# Altium PCB Bidir_Active_Rectifier-Main_Board.PcbDoc (part 2 of 3) (continued)
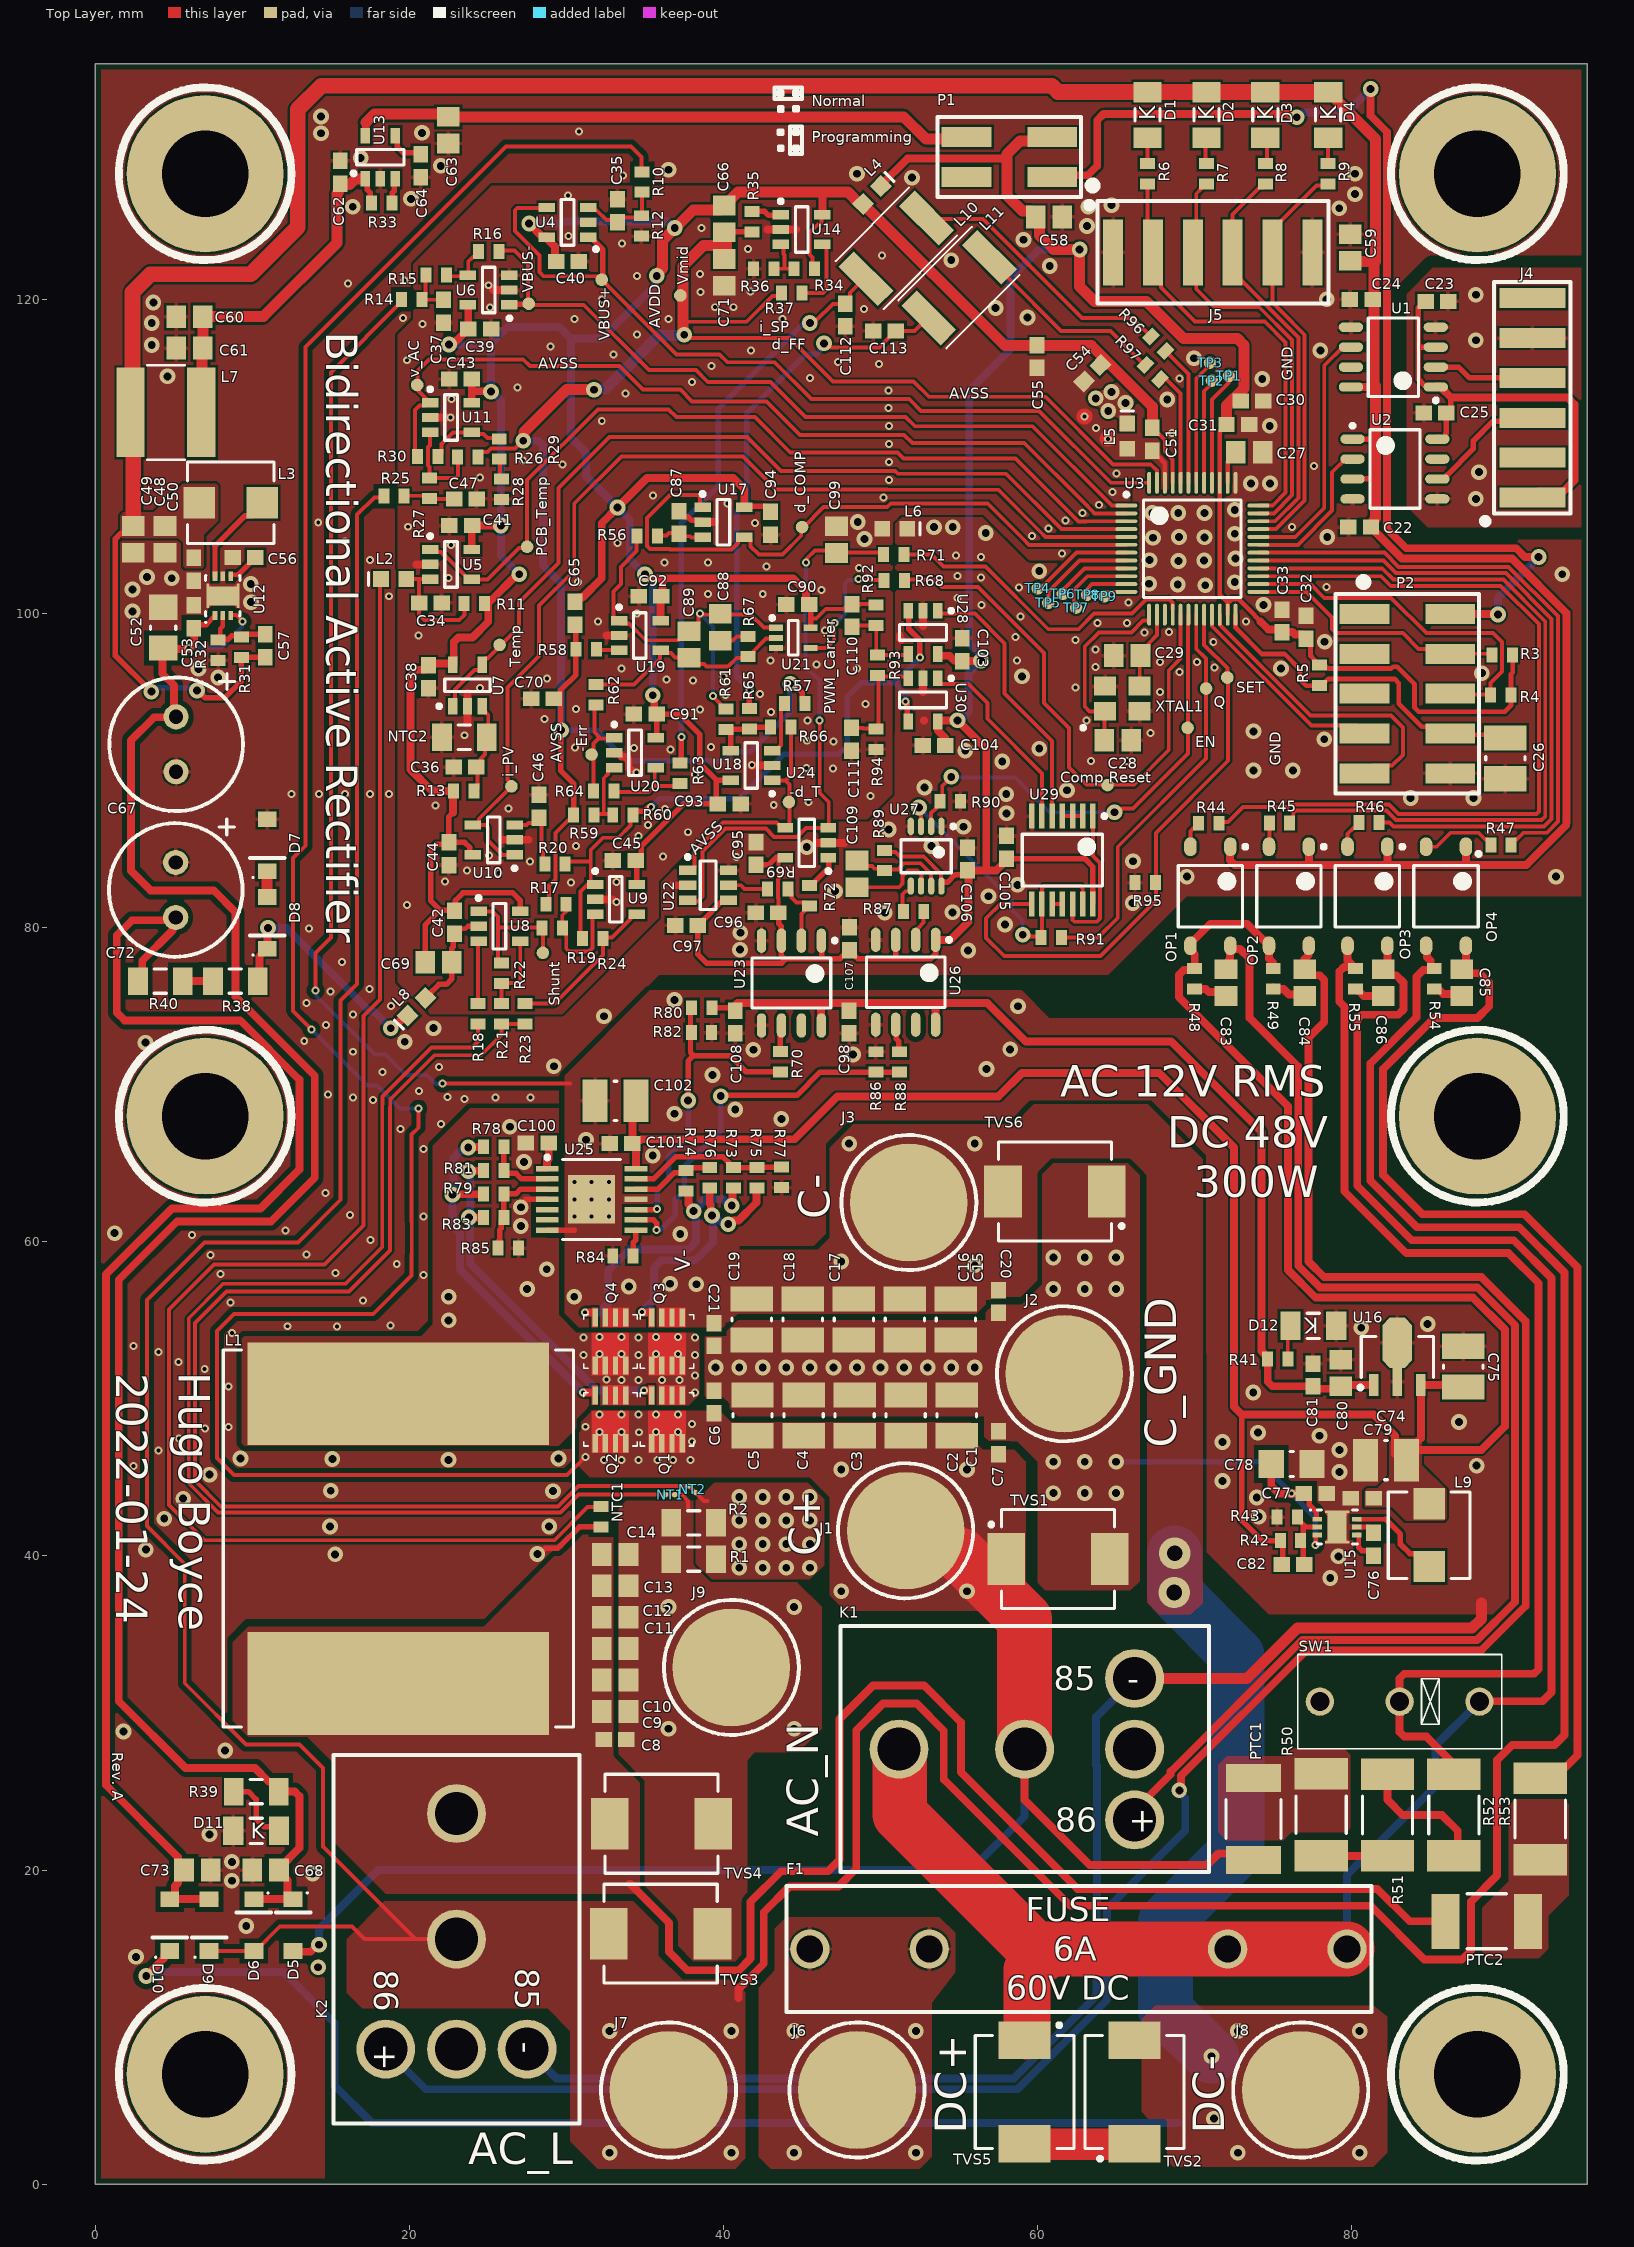
[diagram p0: Top Layer view]
## Nets (pads, with @x,y where several pads share a name; then routed paths per layer and width w, separated by ;. In a path a pad name is that pad's centre, name@x,y a point inside that pad or via, vN(x,y) a via of type N, cw(c..) or ccw(c..) an arc to the next point about the centre after c; other vN are vias at no path point) (continued)
  Top Layer w0.25: U17.1@38.675,106.725 38.5,106.9 38.5,107.404 38.354,107.55 36.6,107.55 35.127,106.077 35.127,104.294 35.321,104.1 36.574,104.1 36.599,104.075 40.5,104.075 40.922,104.497 40.922,104.683 41.139,104.9 U17.4@41.322,104.9 ; U17.4@41.322,104.858 41.547,104.858 41.722,104.683 41.722,104.278 42.25,103.75 43.75,103.75 44.952,104.952 44.952,105.452 pad.15@45,105.5 ; pad.15@45.05,105.45 46.375,106.775 50.425,106.775 50.65,107 56.825,107 59.119,104.706 59.119,104.705 59.43,104.394 59.431,104.394 59.45,104.375 U3.6@65.65,104.375
ADC_i_PV: pad.14 U3.5 U10.1 U10.4 | length 65.8
  Top Layer w0.25: U10.4@24.047,86.535 U10.4@24.272,86.535 ; pad.14@26.5,89 26.5,89.149 26.25,89.399 26.25,95.3 28.25,97.3 28.25,100.5 30.5,102.75 30.5,107 33.5,110 41.25,110 43.344,107.906 50.42,107.906 50.448,107.879 57.496,107.879 60.169,105.206 60.169,105.205 60.48,104.894 60.481,104.894 60.5,104.875 U3.5@65.65,104.875 ; pad.14@26.506,88.994 24.447,86.935 24.447,86.71 U10.4@24.272,86.535 ; U10.1@26.772,84.61 26.768,84.614 25.943,84.614 24.997,85.56 24.997,86.389 24.85,86.535 U10.4@24.272,86.535
ADC_PCB_Temp: pad.12 U3.3 U5.1 U5.4 | length 55.1
  Top Layer w0.25: U5.1@21.325,104.075 21.49,103.91 22.015,103.91 22.251,103.675 22.3,103.675 23.575,102.4 23.575,102.35 23.75,102.175 24.975,102.175 26.977,104.177 27.427,104.177 pad.12@27.5,104.25 27.5,108.5 32,113 36.5,113 37,112.5 42,112.5 44.25,110.25 51.075,110.25 51.45,109.875 58.6,109.875 62.606,105.869 63.07,105.869 63.077,105.875 U3.3@65.65,105.875
ADC_v_AC: pad.11 R30.1 U3.2 U11.1 | length 55.8
  Top Layer w0.25: R30.1@20.525,110 20.35,110.175 20.35,112.95 20.653,113.253 20.931,113.253 21.075,113.397 U11.1@21.075,113.439 ; U11.1@21.331,113.428 20.525,114.234 20.525,115.45 21.25,116.175 27.25,116.175 27.675,115.75 33.369,115.75 34.869,114.25 37.25,114.25 38,113.5 42.75,113.5 44.875,111.375 51.5,111.375 52.025,110.85 59.15,110.85 63.069,106.931 63.07,106.931 63.381,106.62 63.381,106.619 63.625,106.375 U3.2@65.65,106.375
ADC_VBUS+: pad.9 U3.48 U4.1 U4.4 | length 54
  Top Layer w0.25: U4.4@28.75,125.85 28.721,125.821 26.871,125.821 26.725,125.675 26.725,124.35 28.275,122.8 28.275,121.75 28.55,121.475 pad.9@32.325,121.475 ; pad.9@32.325,121.175 37,116.5 39.75,116.5 40.25,116 43.25,116 45.6,113.65 51.825,113.65 52.575,112.9 60.1,112.9 64.675,108.325 U3.48@67.1,108.325
  Top Layer w0.35: U4.1@31.575,123.918 31.657,123.918 31.75,123.825 31.75,123.743 32.325,123.168 32.325,121.475 pad.9@32.325,121.175
ADC_VBUS-: pad.10 R16.1 U3.1 U6.1 | length 50.4
  Top Layer w0.25: R16.1@25.75,123.1 26.7,123.1 27.55,122.25 27.55,119.8 27.487,119.737 26.462,119.737 U6.1@26.371,119.646 27.5,119.646 31.104,119.646 35.25,115.5 38.25,115.5 39,114.75 43,114.75 45.225,112.525 51.6,112.525 52.2,111.925 59.675,111.925 64.725,106.875 U3.1@65.65,106.875
ADC_Xformer_Temp: pad.13 U3.4 U7.1 U7.4 | length 56.9
  Top Layer w0.25: U7.1@22.675,94.125 22.903,94.353 22.903,95.153 24.147,96.397 24.475,96.397 24.675,96.597 24.675,97 24.825,97.15 24.975,97.15 26.975,99.15 26.975,100.7 29.5,103.225 29.5,108 32.75,111.25 41.5,111.25 43.675,109.075 50.925,109.075 51.1,108.9 58,108.9 61.525,105.375 U3.4@65.65,105.375
AVDD: C38.2 C39.2 C40.2 C41.2 C42.2 C43.2 C44.2 C45.2 C51.2 C54.2 C55.2 C65.2 C66.2 C69.2 C90.2 C91.2 C92.2 C93.2 C94.2 C110.2 L4.2 R11.2 R13.2 R34.2 R92.2 U3.45 U4.5 U5.5 U6.5 U7.5 U8.5 U9.5 U10.5 U11.5 U14.5 U17.5 U18.5 U19.5 U20.5 U21.5 | length 233.7
  Top Layer w0.25: 45.2,101.425 45.246,101.425 ; 45.55,99.675 45.908,99.675 46.51,100.277 47.645,100.277 47.917,100.55 C110.2@48.65,100.55 ; R34.2@45.8,121.95 45.671,122.079 45.671,122.654 45.475,122.85 45.475,124.25 46,124.775 46.154,124.775 46.25,124.871 46.25,125.4 U14.5@46.3,125.45 ; C110.2@48.175,100.6 49.675,100.6 R92.2@49.775,100.5 ; C51.2@67.313,111.838 67.313,111.762 67.65,111.425 67.726,111.425 68.1,111.051 68.1,110.3 68.6,109.8 U3.45@68.6,108.325
  Top Layer w0.35: C69.2@21.01,77.792 21.01,80.167 21.96,81.117 ; 22.775,87.317 22.522,87.064 C44.2@22.522,85.435 ; U10.5@23.847,84.71 23.847,85.11 23.522,85.435 C44.2@22.522,85.435 ; U8.5@27.06,81.067 27.06,81.742 26.585,82.217 23.41,82.217 22.935,81.742 22.935,81.142 22.96,81.117 21.96,81.117 ; C45.2@34.4,84.275 34.45,84.275 34.75,84.575 34.75,85.175 37.45,87.875 39.525,87.875 C93.2@39.65,87.875 39.525,88 39.525,88.15 39.525,89.375 ; U9.5@34.475,82.75 C45.2@34.475,83.875 ; C45.2@34.475,84.3 C45.2@34.475,83.875 ; C45.2@34.663,84.471 34.663,84.063 C45.2@34.475,83.875 ; U20.5@35.65,92.05 35.75,92.15 C91.2@35.75,93.6 37.2,93.6 38.475,92.325 38.475,90.475 39.525,89.425 39.525,89.375 ; U18.5@40.45,89.375 39.525,89.375 ; U17.5@41.322,106.758 41.395,106.831 42.491,106.831 42.497,106.825 42.7,106.825 43,106.525 C94.2@43,106.5 ; C90.2@45.425,100.625 45.55,100.5 45.55,99.675 U21.5@45.55,99.1 ; 21.96,81.117 21.35,81.727 21.35,84.931 21.727,85.308 22.394,85.308 C44.2@22.522,85.435
  Top Layer w0.5: v2(22.525,117.125) 22.75,117.125 23.475,117.85 23.475,117.9 23.7,118.125 C39.2@23.75,118.125 U6.5@23.75,119.675 ; 22.775,87.317 R13.2@22.775,88.45 ; R13.2@22.775,88.475 R13.2@22.775,88.45 ; R13.2@22.825,88.7 R13.2@22.525,88.7 ; U11.5@23.95,113.475 23.972,113.475 23.975,113.478 23.975,114.15 ; U5.5@23.975,104.075 23.975,105.45 C41.2@24,105.475 ; C43.2@23.975,114.925 23.975,114.15 ; C41.2@24,105.6 v2(25.825,105.6) v2@25.85,105.6 ; v2(25.2,114.125) 25.175,114.15 23.975,114.15 ; v2@26.95,102.6 v2@26.95,102.575 ; v2(27,102.5) 27,102.525 v2@26.95,102.575 ; v2(27.625,124.825) 28.45,124 U4.5@28.625,124 ; U4.5@28.75,123.95 28.7,124 U4.5@28.625,124 ; C40.2@29.35,122.425 29.268,122.507 29.268,123.357 U4.5@28.625,124 ; C65.2@30.55,100.75 30.55,100.8 30.775,101.025 31.025,101.025 32.25,102.25 32.25,105.75 v2(33.25,106.75) 35.129,108.629 40.621,108.629 41.322,107.928 U17.5@41.322,106.758 ; v2(35,102.5) 35.25,102.25 36,102.25 ; v2(35.5,94.8) 35.596,94.704 35.596,93.754 C91.2@35.75,93.6 ; U19.5@36,99.55 C92.2@36,101.075 ; C92.2@36.05,101.1 36.109,101.159 36.109,102.141 36,102.25 ; C90.2@45.45,100.575 45.246,100.779 45.246,101.425 45.246,101.432 44.429,102.25 36,102.25 ; U14.5@46.3,125.4 46.3,125.45 46.3,126.825 46.3,126.9 ; R13.2@22.525,88.7 R13.2@22.775,88.45 ; R13.2@22.525,88.7 21.725,88.7 21.7,88.725 21.425,88.725 20.075,90.075 20.075,96.025 20.475,96.425 21,96.425 21.325,96.75 21.325,96.825 22.725,96.825 22.825,96.725 22.825,98.182 23.118,98.475 24.025,98.475 25.025,99.475 25.025,100.65 v2@26.95,102.575
  Top Layer w0.7: v3(35.75,121.5) 35.75,121.581 36.125,121.956 36.125,123.75 38.075,125.7 39.775,125.7 C66.2@40.05,125.975 ; C66.2@40,125.9 40.925,126.825 46.3,126.825 47.931,126.825 48.672,126.084 L4.2@48.884,126.084 57.919,117.05 63.425,117.05 67.3,113.175 C51.2@67.3,111.825
  Bottom Layer w0.5: v2(22.525,117.125) 25.2,117.125 v2(25.2,114.125) ; v2@25.25,114.15 25.825,113.575 v2(25.825,105.6) 25.825,103.675 v2(27,102.5) ; 25.25,117.25 26.25,118.25 29.543,118.25 30.293,117.5 ; v2(27.625,124.825) 29.624,124.825 29.751,124.952 36.473,124.952 36.875,124.55 v2(36.9,124.55) ; v2@35.5,94.686 35.5,102 v2(35,102.5) 34.031,103.469 34.031,105.969 v2(33.25,106.75) 31.25,108.75 31.25,110.25 30.293,111.207 30.293,117.5 ; v3(35.75,121.5) 35.654,121.404 35.654,120.904 32.25,117.5 30.293,117.5
AVSS: C34.1 C35.1 C36.1 C37.1 C38.1 C39.1 C40.1 C41.1 C43.1 C44.1 C45.1 C46.1 C47.1 C51.1 C54.1 C55.1 C70.1 C71.1 C87.1 C90.1 C91.1 C92.1 C93.1 C94.1 C99.1 C111.1 C112.1 C113.1 L5.2 L6.2 NTC2.2 R12.1 R28.2 R36.1 R94.1 U3.46 U4.2 U5.2 U6.2 U6.3 U7.2 U9.2 U10.2 U11.2 U14.2 U17.2 U18.2 U19.2 U20.2 U21.3 | length 19.2
  Top Layer w0.3: C51.1@67.3,110.375 67.3,110.325 67.625,110 67.675,110 68.1,109.575 U3.46@68.1,108.325 U3.46@68.1,108.3
  Top Layer w0.35: C87.1@37.175,106.525 37.175,106.475 37.475,106.175 37.725,106.175 37.975,105.925 38.575,105.925 U17.2@38.7,105.8
  Top Layer w0.5: 20.45,103.125 U5.2@21.325,103.125 ; U11.2@21.331,112.478 22.622,112.478 v1(22.625,112.475) ; 23.7,92.989 23.7,94.93 ; 25.325,120.625 25.354,120.596 U6.2@26.371,120.596 ; 25.925,85.6 27.575,85.6 ; U9.2@31.825,81.8 32.95,81.8 ; 32.55,98.6 U19.2@33.35,98.6 ; U20.2@33.044,91.133 33.094,91.083 33.319,91.083 33.517,90.885 33.736,90.885 33.971,90.65 33.971,90.172 34.267,89.877 34.448,89.877 v1(34.45,89.875) ; U17.2@38.7,105.8 38.725,105.825 39.45,105.825 ; v1@41.85,90.275 41.9,90.325 U18.2@43.1,90.325 ; 42.8,124.45 U14.2@43.65,124.45 44.625,124.45
  Top Layer w1: v1(62.975,112.55) v1@63,112.55 ; v1@64.425,111.125 v1(64.475,111.125)
  other v1: 19.85,81.45 33.175,81.625 30.289,82.866 33.175,82.9 22.264,82.935 25.666,83.47 23.668,83.624 27.675,84.2 36.15,84.525 25.073,84.581 30.6,85.2 34.575,85.825 37.75,86.075 35.2,86.55 36.275,87.55 26.315,87.578 21.675,87.775 43.2,87.8 45.4,88 49.35,88.375 38.175,89.75 46.975,90.125 45.3,90.15 41.8,90.35 36.625,91.35 34.3,91.425 30.55,91.475 39.2,91.5 47,91.85 45.325,91.9 23.5,92.25 45.35,93.2 28.6,93.3 43.025,93.725 38.5,93.875 30.6,93.925 49.05,94.225 40.125,94.8 42.325,94.875 24.5,95.25 38.05,95.75 36.375,95.8 28.75,95.875 40,96 33.5,96.5 48.5,96.5 45.925,96.75 43,97 20.575,98.6 46.475,98.925 32,99.5 34.5,100 39,101.25 42.5,101.25 46.25,101.5 30.75,102 22.5,102.25 48.625,102.9 42.75,103 36.25,103.25 39,103.25 61.55,103.825 22.65,104.375 33.25,104.5 59.65,104.925 60.7,105.425 19.925,105.525 42,105.75 61.775,105.925 62.85,106.4 63.9,106.925 40.25,107 50.2,107.375 35.5,107.5 64.775,107.725 50.525,108.5 24.5,108.675 65.025,108.925 29.75,109.5 50.525,109.65 27.25,109.75 50.525,110.8 63.725,111.825 50.525,111.95 32.25,112.25 50.5,113.075 22.675,113.65 33.75,114 50.5,114.2 26.875,114.4 38,114.75 45.5,115 39.25,115.75 49.9,115.9 47.3,116 19.85,116.125 33,116.5 41.75,116.75 29,117 34.5,117.75 20.85,118.425 30.5,118.75 36.5,118.75 43.75,118.75 48.95,119.375 25.125,119.475 39.45,119.5 40.65,119.5 32.25,120 38.55,120.475 41.725,120.5 25.05,120.9 34.5,121.5 38.5,121.625 50.1,122.8 41.55,123.2 33.55,123.55 30.125,124.05 38.6,124.55 30.1,126.6
  other v2: 48.975,104.75 48.55,105.825
COMP_RESET: pad.4 R68.1 U3.17 | length 35.5
  Top Layer w0.25: R68.1@51.5,102.175 53.425,102.175 53.9,101.7 56.2,101.7 60.4,97.5 60.4,94.3 62,92.7 62,90.2 63.1,89.1 66.15,89.1 68.35,91.3 68.35,96.375 69.1,97.125 U3.17@69.1,99.925
CURRENT_OK_LATCH_Q: pad.5 R91.1 U3.19 | length 26
  Top Layer w0.25: R91.1@61.525,79.375 63.85,79.375 65.1,80.625 65.1,85.15 70.725,90.775 70.725,97.125 70.1,97.75 U3.19@70.1,99.975
CURRENT_OK_LATCH_RESET: U29.1 U29.12 | length 9.5
  Top Layer w0.25: U29.12@62.2,81.35 62.226,81.324 62.226,80.496 62.346,80.375 63.767,80.375 63.977,80.585 63.977,84.123 63.525,84.575 U29.1@63.525,87.1
CURRENT_OK_LATCH_SET: pad.1@72.075,95.925 R95.2 U3.20 U29.8 | length 37.9
  Top Layer w0.25: U29.8@59.625,81.5 57.625,81.5 56.725,80.6 56.725,79.35 57.875,78.2 64,78.2 67.525,81.725 67.525,82.875 67.525,86.025 72.125,90.625 72.125,95.925 72.077,95.973 72.077,96.523 70.6,98 U3.20@70.6,99.85
d_CMP: C88.2 C89.2 R56.2 R61.2 U19.1 U21.1 | length 24.9
  Top Layer w0.25: U19.1@33.35,99.55 33.175,99.55 33,99.725 33,101.407 33.47,101.877 33.47,102.97 34.471,103.971 34.471,104.971 R56.2@34.5,105 ; U19.1@33.5,99.375 U19.1@33.5,99.55 ; U19.1@33.6,99.375 33.975,99.375 35.05,98.3 37.125,98.3 37.7,98.875 37.9,98.875 38.4,99.375 38.4,99.83 38.5,99.93 v1(38.5,100) 38.549,99.951 38.799,99.951 38.829,99.921 39.671,99.921 C88.2@39.75,100 ; v1(39.325,94.75) 39.325,94.704 39.8,94.229 39.8,94.15 40.025,93.925 R61.2@40.15,93.925 ; C88.2@39.8,99.95 41.725,99.95 42.575,99.1 U21.1@43.35,99.1
  Bottom Layer w0.25: v1(38.5,100) 39.325,99.175 v1(39.325,94.75)
d_FF: C113.2 L11.2 R65.2 | length 33.7
  Top Layer w0.25: v3(46.4,117.2) 46.603,117.2 46.853,116.95 49.925,116.95 50.575,117.6 50.575,117.65 50.925,118 C113.2@50.975,118 52.15,118 L11.2@53.05,118.9
  Top Layer w0.35: R65.2@41.65,93.95 v1(41.65,95.15)
  Bottom Layer w0.35: 41.45,107.075 40.85,106.475 40.85,95.95 v1(41.65,95.15) ; 41.475,107.175 41.475,112.725 45.263,116.513 45.928,116.513 46.133,116.718 46.133,116.757 46.4,117.024 v3(46.4,117.2)
DC_Charge: R46.2 U3.29 | length 44.2
  Top Layer w0.25: U3.29@74.05,103.375 82.01,103.375 82.815,102.57 89.815,102.57 92.723,99.662 92.723,86.917 92.251,86.445 82.653,86.445 82.398,86.7 R46.2@81.75,86.7
DC_Switch: R44.2 U3.27 | length 52.2
  Top Layer w0.25: R44.2@71.55,86.65 71.629,86.729 72.129,86.729 73.072,87.672 75.926,87.672 76.108,87.855 82.382,87.855 82.986,87.25 91.771,87.25 91.918,87.396 91.918,99.329 89.482,101.765 82.482,101.765 81.872,102.375 U3.27@74.05,102.375
ENABLE: R86.2 R88.2 U25.9 | length 24.2
  Top Layer w0.35: U25.9@34.425,61.4 35.545,61.4 35.75,61.195 v1(35.75,60.75) ; v2(39.825,69.275) 39.875,69.325 44.675,69.325 46.15,70.8 R86.2@49.7,70.8 R88.2@51.2,70.8
  Bottom Layer w0.35: v1(35.75,60.75) 35.78,60.78 36.03,60.78 36.944,61.694 36.944,62.694 37.5,63.25 37.5,64.75 39.825,67.075 v2(39.825,69.275)
ENABLE_PULSE: pad.6 R90.1 U3.18 U27.2 | length 29.8
  Top Layer w0.25: U27.2@53.225,86.45 53.225,87.3 53.55,87.625 53.55,87.7 53.65,87.8 R90.1@53.725,87.8 ; R90.1@53.775,88.05 53.928,88.203 53.928,89.028 v2(54.5,89.6) ; v2(64.9,87.35) 65.103,87.35 65.334,87.581 66.081,87.581 69.575,91.075 69.575,99.336 69.6,99.361 U3.18@69.6,99.9
  Bottom Layer w0.25: v2(54.5,89.6) 54.55,89.55 58.55,89.55 60.75,87.35 v2(64.9,87.35)
GATE_H_1: Q1.4 R81.1 R83.1 | length 22.7
  Top Layer w0.5: v2(23.75,64.5) 23.775,64.525 24.7,64.525 R81.1@24.725,64.55 ; v2(23.8,61.55) R83.1@24.725,61.55 ; v1(34.95,50.525) 34.952,50.523 Q1.4@35.345,50.523
  Bottom Layer w0.5: v2(23.75,64.5) 23.75,64.365 23.875,64.24 23.875,61.575 23.8,61.5 23.881,61.419 23.881,58.619 31.975,50.525 v1(34.95,50.525)
GATE_H_2: Q2.4 R78.1 R79.1 | length 23.3
  Top Layer w0.5: v2(22.75,63) 22.775,63.025 24.7,63.025 R79.1@24.725,63.05 ; v2(23.75,66) 23.775,66.025 24.7,66.025 R78.1@24.725,66.05 ; v1(31.05,50.4) 31.052,50.398 Q2.4@31.745,50.398
  Bottom Layer w0.5: v2@22.725,63.025 22.8,63.1 22.8,65.325 23.25,65.775 23.39,65.775 23.615,66 v2(23.75,66) ; v2(22.75,63) 22.75,61.075 23.229,60.596 23.229,58.349 23.25,58.327 23.25,58.2 v1(31.05,50.4)
GATE_L_1: Q3.4 R75.2 R76.2 | length 16.2
  Top Layer w0.5: v1(34.8,55.534) v1(34.8,55.534) 34.842,55.495 Q3.4@35.345,55.495 ; R76.2@39.125,63.425 39.125,62.425 39.191,62.359 39.191,61.759 v2(39.275,61.675) ; v2(40.3,61.125) 40.435,61.125 40.669,61.359 40.959,61.359 42.093,62.493 42.093,63.325 42.125,63.357 R75.2@42.125,63.425
  Bottom Layer w0.5: v1(34.8,55.534) 35.575,56.309 35.575,58.35 36.05,58.825 38.201,58.825 39.341,59.965 39.341,61.609 v2(39.275,61.675) 39.41,61.675 39.865,61.221 40.204,61.221 v2(40.3,61.125)
GATE_L_2: Q4.4 R73.2 R74.2 | length 18.4
  Top Layer w0.5: v1(31.175,55.509) 31.177,55.508 Q4.4@31.75,55.508 ; R74.2@37.575,63.175 37.625,63.125 37.779,63.125 37.779,62.407 38.1,62.085 v2(38.1,61.95) ; v2(40.525,62.3) 40.575,62.35 40.575,63.325 40.625,63.375 R73.2@40.638,63.375
  Bottom Layer w0.5: v1@31.177,55.509 32.109,55.509 32.65,56.05 32.65,58.15 34,59.5 37.75,59.5 38.25,60 38.25,61.446 38.196,61.501 38.196,61.854 v2(38.1,61.95) ; v2@38.046,61.896 38.875,62.725 39.965,62.725 40.39,62.3 v2(40.525,62.3)
GND: C1.1 C2.1 C3.1 C4.1 C5.1 C6.1 C7.1 C15.2 C16.2 C17.2 C18.2 C19.2 C20.2 C21.2 C22.2 C24.2 C26.1 C27.1 C28.1 C29.1 C30.1 C31.1 C32.1 C33.1 C48.1 C49.1 C50.2 C52.1 C53.2 C56.1 C58.1 C59.1 C60.1 C61.1 C62.1 C63.1 C64.1 C67.2 C68.1 C72.1 C73.2 C77.2 C78.2 C95.1 C96.1 C97.1 C103.1 C104.1 C105.1 C106.1 C107.1 D7.2 D11.1 J2.1 J5.1 J5.6 L5.1 L6.1 NT2.1 NTC1.2 P2.10 R1.1 R2.1 R32.1 R90.2 R95.1 TVS1.2 TVS6.1 U1.5 U2.4 U3.37 U12.5 U12.7 U13.2 U15.1 U15.3 U22.2 U22.6 U23.4 U24.2 U26.4 U27.1 U27.4 U28.2 U29.7 U30.2 XTAL1.2 XTAL1.4 | length 35
  Top Layer w0.25: NT2.1@38.212,44.038 38.75,43.5 39,43.5
  Top Layer w0.3: v1(77.7,40.7) 77.7,41.228 U15.3@77.811,41.34 ; U15.1@77.75,42.401 77.75,42.8
  Top Layer w0.35: C72.1@4.85,84.625 C72.1@5.214,84.261 ; D11.1@8.8,22.5 D11.1@9.275,22.025 ; v2(28.15,40.125) 28.307,40.125 28.68,40.498 29.453,40.498 29.606,40.65 29.625,40.65 30.825,41.85 NTC1.2@32.2,41.85 ; C77.2@77.036,43.965 77.3,43.701 77.3,43.25 77.75,42.8
  Top Layer w0.5: 36.75,82.725 36.775,82.7 U22.2@37.725,82.7 ; 45.9,85.4 47.7,85.4 ; 51.223,98.6 51.223,98.399 51.317,98.305 ; 52.7,95 U30.2@52.7,95.975 ; 52.7,99.2 U28.2@52.7,100.175 ; 52.75,93.198 52.775,93.198 ; C78.2@74.875,45.85 74.875,44.45 75.35,43.975 v1(76.15,43.975) C77.2@76.95,43.975
  Top Layer w0.7: C73.2@7.35,20 7.35,19.957 C73.2@7.625,19.682 ; C68.1@9.725,19.682 10,19.957 C68.1@10,20
  Bottom Layer w0.35: v2(65,46) 74.125,46 v1(76.15,43.975) 77.7,42.425 v1(77.7,40.7)
  other v1: 2.45,45.725 4.02,46.724 5.338,47.474 6.975,48.1 8.5,48.2 8.5,50.8 6.974,51.904 5.315,52.358 4.02,52.972 2.43,53.381 8.723,54.199 15.4,54.6 12.242,54.623 18.794,54.684 8.625,56.15 17.044,56.273 20.9,57.9 7.975,57.95 15.31,58.023 19.198,58.584 7.325,59.15 13.44,59.182 17.539,60.124 6.15,60.425 12.125,60.725 20.9,61.6 16.212,61.711 14.672,63.109 20.9,65.9 19.425,67.175 22,67.5 17.7,69.025 23.5,69.1 16.4,69.175 25.5,69.2 27.7,69.2 22.444,69.216 14.825,69.375 20.6,69.6 18.3,70.8 21.873,71.116 16.4,72.1 13.309,72.796 14.7,73.8 16.405,74.464 18.831,75.003 13.451,75.211 14.978,75.936 17.448,76.101 15.702,77.813 13.616,79.943 40.825,84.5 12.5,88.5 14.25,88.5 15.9,88.5 17.5,88.5 18.7,88.5 63.4,90.6 65.7,90.6 67.2,92.4 63.1,93.2 67.8,95 62.4,95.3 69.025,96.275 71.275,96.55 63.7,96.6 67.8,96.9 70.15,96.9 58.7,97 63.7,97.7 71.182,98.176 62.4,98.3 58.6,98.5 66.8,98.8 68.375,98.825 63.8,99.4 65.7,99.4 73.263,99.478 58.925,99.8 56.425,100.55 65.8,100.7 54.9,101 18.7,101.1 58.825,101.65 78.4,101.7 56.4,102.3 54.9,102.4 17.5,103.4 56.4,103.6 54.8,103.7 15.9,104.6 76.2,105.5 14.2,105.8 18.5,108.8 77.6,109.4 68.55,111.5 69.025,114.95 19.6,118.8 16.1,121 19.7,121.2 33.6,127.9 30.8,130.7
  other v2: 2.6,14.475 9.62,16.438 8.7,19.325 13.845,19.763 8.7,20.525 7.275,22.275 8.27,27.613 1.8,28.825 41,39.25 42.5,39.25 44,39.25 45.5,39.25 15.275,40.1 3.225,40.4 41,40.75 42.5,40.75 44,40.75 45.5,40.75 14.95,41.875 28.9,41.875 41,42.25 42.5,42.25 44,42.25 45.5,42.25 4.4,42.375 5.6,43.65 41,43.75 42.5,43.75 44,43.75 45.5,43.75 61,44 63,44 65,44 29.15,44.125 15,44.15 7.275,45.175 61,46 63,46 22.496,46.115 15.1,46.175 9.25,46.2 29.5,46.2 39.5,52 41,52 42.5,52 44,52 45.5,52 47,52 48.5,52 50,52 51.5,52 53,52 54.5,52 56,52 61,57 63,57 65,57 61,59 63,59 65,59 1.238,60.55 29.2,71.175 3.205,72.681 19.712,72.732 21.535,73.602 32.399,74.358 55.575,78.55 41.05,78.6 41.075,79.675 57.925,80.2 50.275,80.95 54.575,80.975 66.05,81.575 56.875,82 47.1,82.325 58.725,82.725 69.5,83.25 93,83.25 66.075,84.225 45.3,85.125 53.25,85.2 50.525,86.25 55.275,86.425 58.025,87.275 83.75,88.25 87.75,88.25 58,88.5 61.875,88.75 52.8,88.925 73.75,90 76.25,90 57.75,90.575 55.391,91.267 60.1,91.4 78.25,92 7.825,95.925 88.281,96.203 6.575,96.475 75.5,96.5 78.275,98.2 2.375,100.125 74.375,100.55 9.925,100.725 2.375,101.525 70.675,101.8 68.925,101.85 9.9,101.875 67.1,101.9 72.55,102 4.875,102.25 3.3,102.325 93.4,102.5 60.1,102.7 68.975,103.35 70.6,103.375 67.125,103.4 72.6,103.5 67.35,104.825 70.625,104.85 69,104.875 78.443,104.872 72.55,105.075 56.7,105.125 53.4,105.5 54.6,105.5 67.3,106.4 68.95,106.4 70.625,106.4 72.55,106.6 73.575,108.275 74.8,108.275 74.775,111.95 64.5,112.9 65.6,113.4 68.25,113.625 63.7,113.7 64.7,114.1 74.3,114.925 4.6,115.1 69.95,116.25 78,116.75 3.6,117.1 3.6,118.5 59.35,118.85 57.325,119.45 3.7,119.8 78.4,120 60.775,122.125 54.5,122.5 59.1,123.8 63.15,124.675 79.2,125.8 16.4,125.9 63.225,125.9 64.7,126 20.1,126.4 80.2,126.7 52,127.75 48.5,128 80.2,128 36.5,128.25 22,128.5 16.9,129 14.375,130.575 20.8,130.6 14.375,131.65
  other v3: 73.75,92.5 59,96
GND_USB: C23.1 C25.1 J4.5 U1.4 U2.5 | length 0.5
  Top Layer w0.35: U1.4@84.807,118.23 U1.4@85.35,118.23
  other v2: 87.9,107.3 88.1,109 87.9,117.4 87.9,120.3
i_PV: R20.1 R24.2 R60.1 U9.1 U28.3 U30.4 | length 42.4
  Top Layer w0.25: R20.1@29.75,84.2 31.55,84.2 ; R24.2@31.05,79.35 30.9,79.5 30.9,82.3 U9.1@31.375,82.775 ; U9.1@31.825,82.75 31.725,82.75 31.55,82.925 31.55,84.2 ; R60.1@34.25,87.175 R60.1@34.275,87.175 ; R60.1@34.35,87.521 34.35,87.175 34.072,86.897 34.072,86.497 33.3,85.725 32.325,85.725 31.55,84.95 31.55,84.2
  Top Layer w0.35: R60.1@34.275,87.175 34.425,87.325 34.425,87.422 34.972,87.422 35.224,87.675 v1(35.4,87.675) ; v1(51.6,94.4) 51.6,94.357 51.7,94.257 U30.4@51.7,93.1 ; U28.3@51.8,100 51.8,99 52.5,98.3 v1@52.5,97.157
  Bottom Layer w0.35: v1(35.4,87.675) 35.925,88.2 41,88.2 43.85,91.05 47.35,91.05 47.875,91.575 47.875,94.675 48.8,95.6 50.9,95.6 ; v1(51.6,94.4) 51.6,94.9 50.9,95.6 ; v1(52.5,97.2) 50.9,95.6
i_SP: C112.2 L10.2 R63.1 | length 36.7
  Top Layer w0.25: v3(45.5,118.5) 45.644,118.644 45.894,118.644 46.966,119.716 C112.2@47.75,119.716 ; C112.2@47.75,119.725 48.05,120.025 48.05,120.425 L10.2@49.05,121.425
  Top Layer w0.35: R63.1@37.225,90.475 37.325,90.575 v1(37.325,92.125)
  Bottom Layer w0.35: v1@37.325,92.118 37.325,105.775 39.675,108.125 39.675,113.05 45.001,118.376 45.376,118.376 v3(45.5,118.5)
ICE_CLK: P2.6 R4.1 U3.26 | length 23.1
  Top Layer w0.25: U3.26@74.05,101.875 77.375,101.875 78.25,101 82.5,101 84.75,98.75 89,98.75 89.5,98.25 89.5,98.24 89.559,98.18 89.559,96.309 88.832,95.582 R4.1@88.832,94.807 ; P2.6@86.607,94.857 R4.1@88.507,94.857 ; R4.1@88.661,95.011 R4.1@88.507,94.857 ; R4.1@88.757,94.807 88.707,94.857 R4.1@88.507,94.857
ICE_DAT: P2.4 R3.1 U3.25 | length 17
  Top Layer w0.25: U3.25@74.05,101.375 77.125,101.375 78.75,99.75 78.75,99 79,98.75 83.25,98.75 84.25,97.75 85.955,97.75 P2.4@86.268,97.437 88.852,97.437 R3.1@88.932,97.357
LED_Amber: J5.4 R8.1 U3.34 | length 25.8
  Top Layer w0.25: U3.34@74.05,105.875 75.106,105.875 76.598,107.367 76.598,117.583 72.4,121.781 72.4,125.4 74.125,127.125 74.375,127.125 R8.1@74.5,127.25
LED_Blue: J5.2 R6.1 U3.36 | length 27.9
  Top Layer w0.25: R6.1@67,127.25 67,123.34 67.85,122.49 67.85,120.75 70.017,118.583 74.459,118.583 75.793,117.25 75.793,107.7 74.968,106.875 U3.36@74.05,106.875
LED_Green: J5.5 R9.1 U3.33 | length 24.3
  Top Layer w0.25: U3.33@74.05,105.375 75.175,105.375 77,107.2 77,117.75 75.5,119.25 74.96,119.79 J5.5@74.96,123 ; J5.5@75.5,125 77.75,127.25 R9.1@78.5,127.25
LED_Red: J5.3 R7.1 U3.35 | length 26.9
  Top Layer w0.25: R7.1@70.75,127.25 70.525,127.25 70.4,127.125 70.4,127.025 70.1,126.725 70.1,120.65 71.25,119.5 74.112,119.5 76.195,117.417 76.195,114.874 76.195,107.533 75.037,106.375 U3.35@74.05,106.375
NetC27_2: C27.2 U3.38 | length 1.6
  Top Layer w0.3: U3.38@72.1,108.325 72.1,109.65 72.225,109.775 C27.2@72.225,109.875
NetC28_2: C28.2 U3.13 XTAL1.1 | length 12.2
  Top Layer w0.25: C28.2@64.25,91.925 XTAL1.1@64.25,93.7 ; XTAL1.1@64.3,93.775 63.3,93.775 63,94.075 63,97.9 63.9,98.8 65.975,98.8 66.721,99.546 67.077,99.546 67.1,99.57 U3.13@67.1,99.925
NetC29_2: C29.2 U3.14 XTAL1.3 | length 4.9
  Top Layer w0.25: XTAL1.3@66.5,95.375 C29.2@66.5,97.175 ; C29.2@66.6,97.175 67.05,97.625 67.05,98.075 67.6,98.625 U3.14@67.6,99.825
NetC34_2: C34.2 L2.2 R11.1 U5.3 | length 7.8
  Top Layer w0.25: L2.2@19.8,102.2 20.65,102.2 ; U5.3@21.275,102.1 21.175,102.2 20.65,102.2 ; R11.1@23.525,100.725 23.5,100.7 23.5,99.9 23.175,99.575 20.975,99.575 20.625,99.925 C34.2@20.625,100.675 20.625,102.175 20.65,102.2
NetC35_2: C35.2 R10.1 R12.2 U4.3 | length 5.3
  Top Layer w0.25: U4.3@31.375,125.925 31.625,125.675 31.925,125.675 32.546,125.054 33.121,125.054 C35.2@33.25,124.925 33.525,125.2 R12.2@34.825,125.2 ; R12.2@34.825,125.55 R10.1@34.825,126.825
NetC36_2: C36.2 NTC2.1 R13.1 U7.3 | length 5.9
  Top Layer w0.25: R13.1@24.175,88.725 24.35,88.9 24.35,90.2 24.525,90.375 24.525,90.725 24.821,91.021 24.821,92.071 25.025,92.275 25.025,93.554 24.879,93.7 24.825,93.7 24.65,93.875 U7.3@24.65,94.1
NetC37_2: C37.2 R14.1 R15.2 | length 3.1
  Top Layer w0.25: R15.2@21.025,121.6 21.025,120.35 20.75,120.075 20.85,119.975 C37.2@22.175,119.975
NetC46_2: C46.2 R20.2 U10.3 | length 4.9
  Top Layer w0.25: U10.3@26.672,86.535 27.447,86.535 27.569,86.657 27.944,86.657 28.297,87.01 C46.2@28.297,87.035 ; C46.2@28.425,87.01 28.425,84.85 28.521,84.754 28.521,84.154 R20.2@28.625,84.05
NetC47_2: C47.2 R25.2 R27.2 | length 3
  Top Layer w0.25: R25.2@19.925,107.5 21.225,107.5 21.425,107.3 C47.2@22.85,107.3
NetC56_2: C56.2 U12.4 | length 2.1
  Top Layer w0.3: U12.4@8.625,102.375 8.625,102.471 9.109,102.471
  Top Layer w0.35: 9.109,102.471 9.575,102.937 9.575,102.94 9.85,103.215 9.85,103.275 10.1,103.525 C56.2@10.175,103.525
NetC57_2: C57.2 R31.1 R32.2 U12.2 | length 4.6
  Top Layer w0.3: R32.2@7.96,98.485 7.96,99.029 8.125,99.194 ; 8.125,99.22 U12.2@8.125,99.795
  Top Layer w0.35: R32.2@7.96,98.485 7.85,98.375 8.475,98.375 8.7,98.6 9.225,98.6 9.295,98.67 10.12,98.67 10.125,98.675 C57.2@10.825,98.675
NetC60_2: C60.2 C61.2 C62.2 L7.2 R33.2 U13.1 | length 24.7
  Top Layer w0.35: U13.1@17.2,127.675 17.325,127.55 17.325,126.975 17.5,126.8 17.5,126.125 R33.2@17.6,126.025
  Top Layer w0.7: L7.2@6.8,112 6.8,116.7 6.85,116.75 C61.2@6.85,116.9 C60.2@6.85,118.9 10.7,118.9 15.398,123.598 15.398,126.746 15.475,126.824 15.475,127.275 C62.2@15.5,127.3 ; C62.2@15.6,127.375 15.675,127.3 16.2,127.3 16.55,127.65 U13.1@17.15,127.65
NetC64_2: C64.2 U13.4 | length 2.5
  Top Layer w0.35: U13.4@19.1,130.425 19.225,130.3 19.225,129.725 19.625,129.325 20.725,129.325 C64.2@20.8,129.25
NetC76_2: C76.2 U15.4 | length 2.1
  Top Layer w0.3: U15.4@80.311,41.34 80.436,41.34 80.436,40.542
  Top Layer w0.35: 80.436,40.542 80.645,40.333 81.075,40.333 81.375,40.033 C76.2@81.375,40.021
NetC82_2: C82.2 R42.1 R43.2 U15.2 | length 4.2
  Top Layer w0.3: 76.911,41.85 77.075,41.85 ; 77.065,41.84 U15.2@77.811,41.84
  Top Layer w0.35: R43.2@76.55,42.475 76.55,42.35 76.725,42.175 76.73,42.175 77.055,41.85 ; 76.911,41.85 76.911,40.975 76.911,39.54 C82.2@76.986,39.465
NetC83_1: C83.1 R48.1 | length 2.3
  Top Layer w0.5: R48.1@70,76.1 70.004,76.096 70.704,76.096 70.9,75.9 72.1,75.9 C83.1@72.2,75.8
NetC83_2: C83.2 K1.86 OP1.4 | length 87.6
  Top Layer w0.5: K1.86@66.175,23.2 66.175,23.8 68.468,26.093 68.468,26.266 76.855,34.652 87.98,34.652 90.402,37.075 90.402,54.682 87.987,57.098 77.98,57.098 76.598,58.48 76.598,71.152 73.5,74.25 73.5,78.026 72.886,78.64 72.36,78.64 OP1.4@72.25,78.75 ; C83.2@72.182,77.032 72.182,77.932 72.25,78 OP1.4@72.25,78.75 ; OP1.4@72.27,78.85 72.25,78.83 OP1.4@72.25,78.75